# Altium PCB I2C_Jog_Controller.pcbdoc (part 3 of 9)
Units mil, origin at the board's own origin, x right, y up, seen from the top; angles counter-clockwise.
Board outline 3937.01 x 3937.01 mil, 2 copper layers (Top Layer, Bottom Layer), stack 65.398 mil thick; 211 components, 144 nets, 5702 pads, 342 vias.
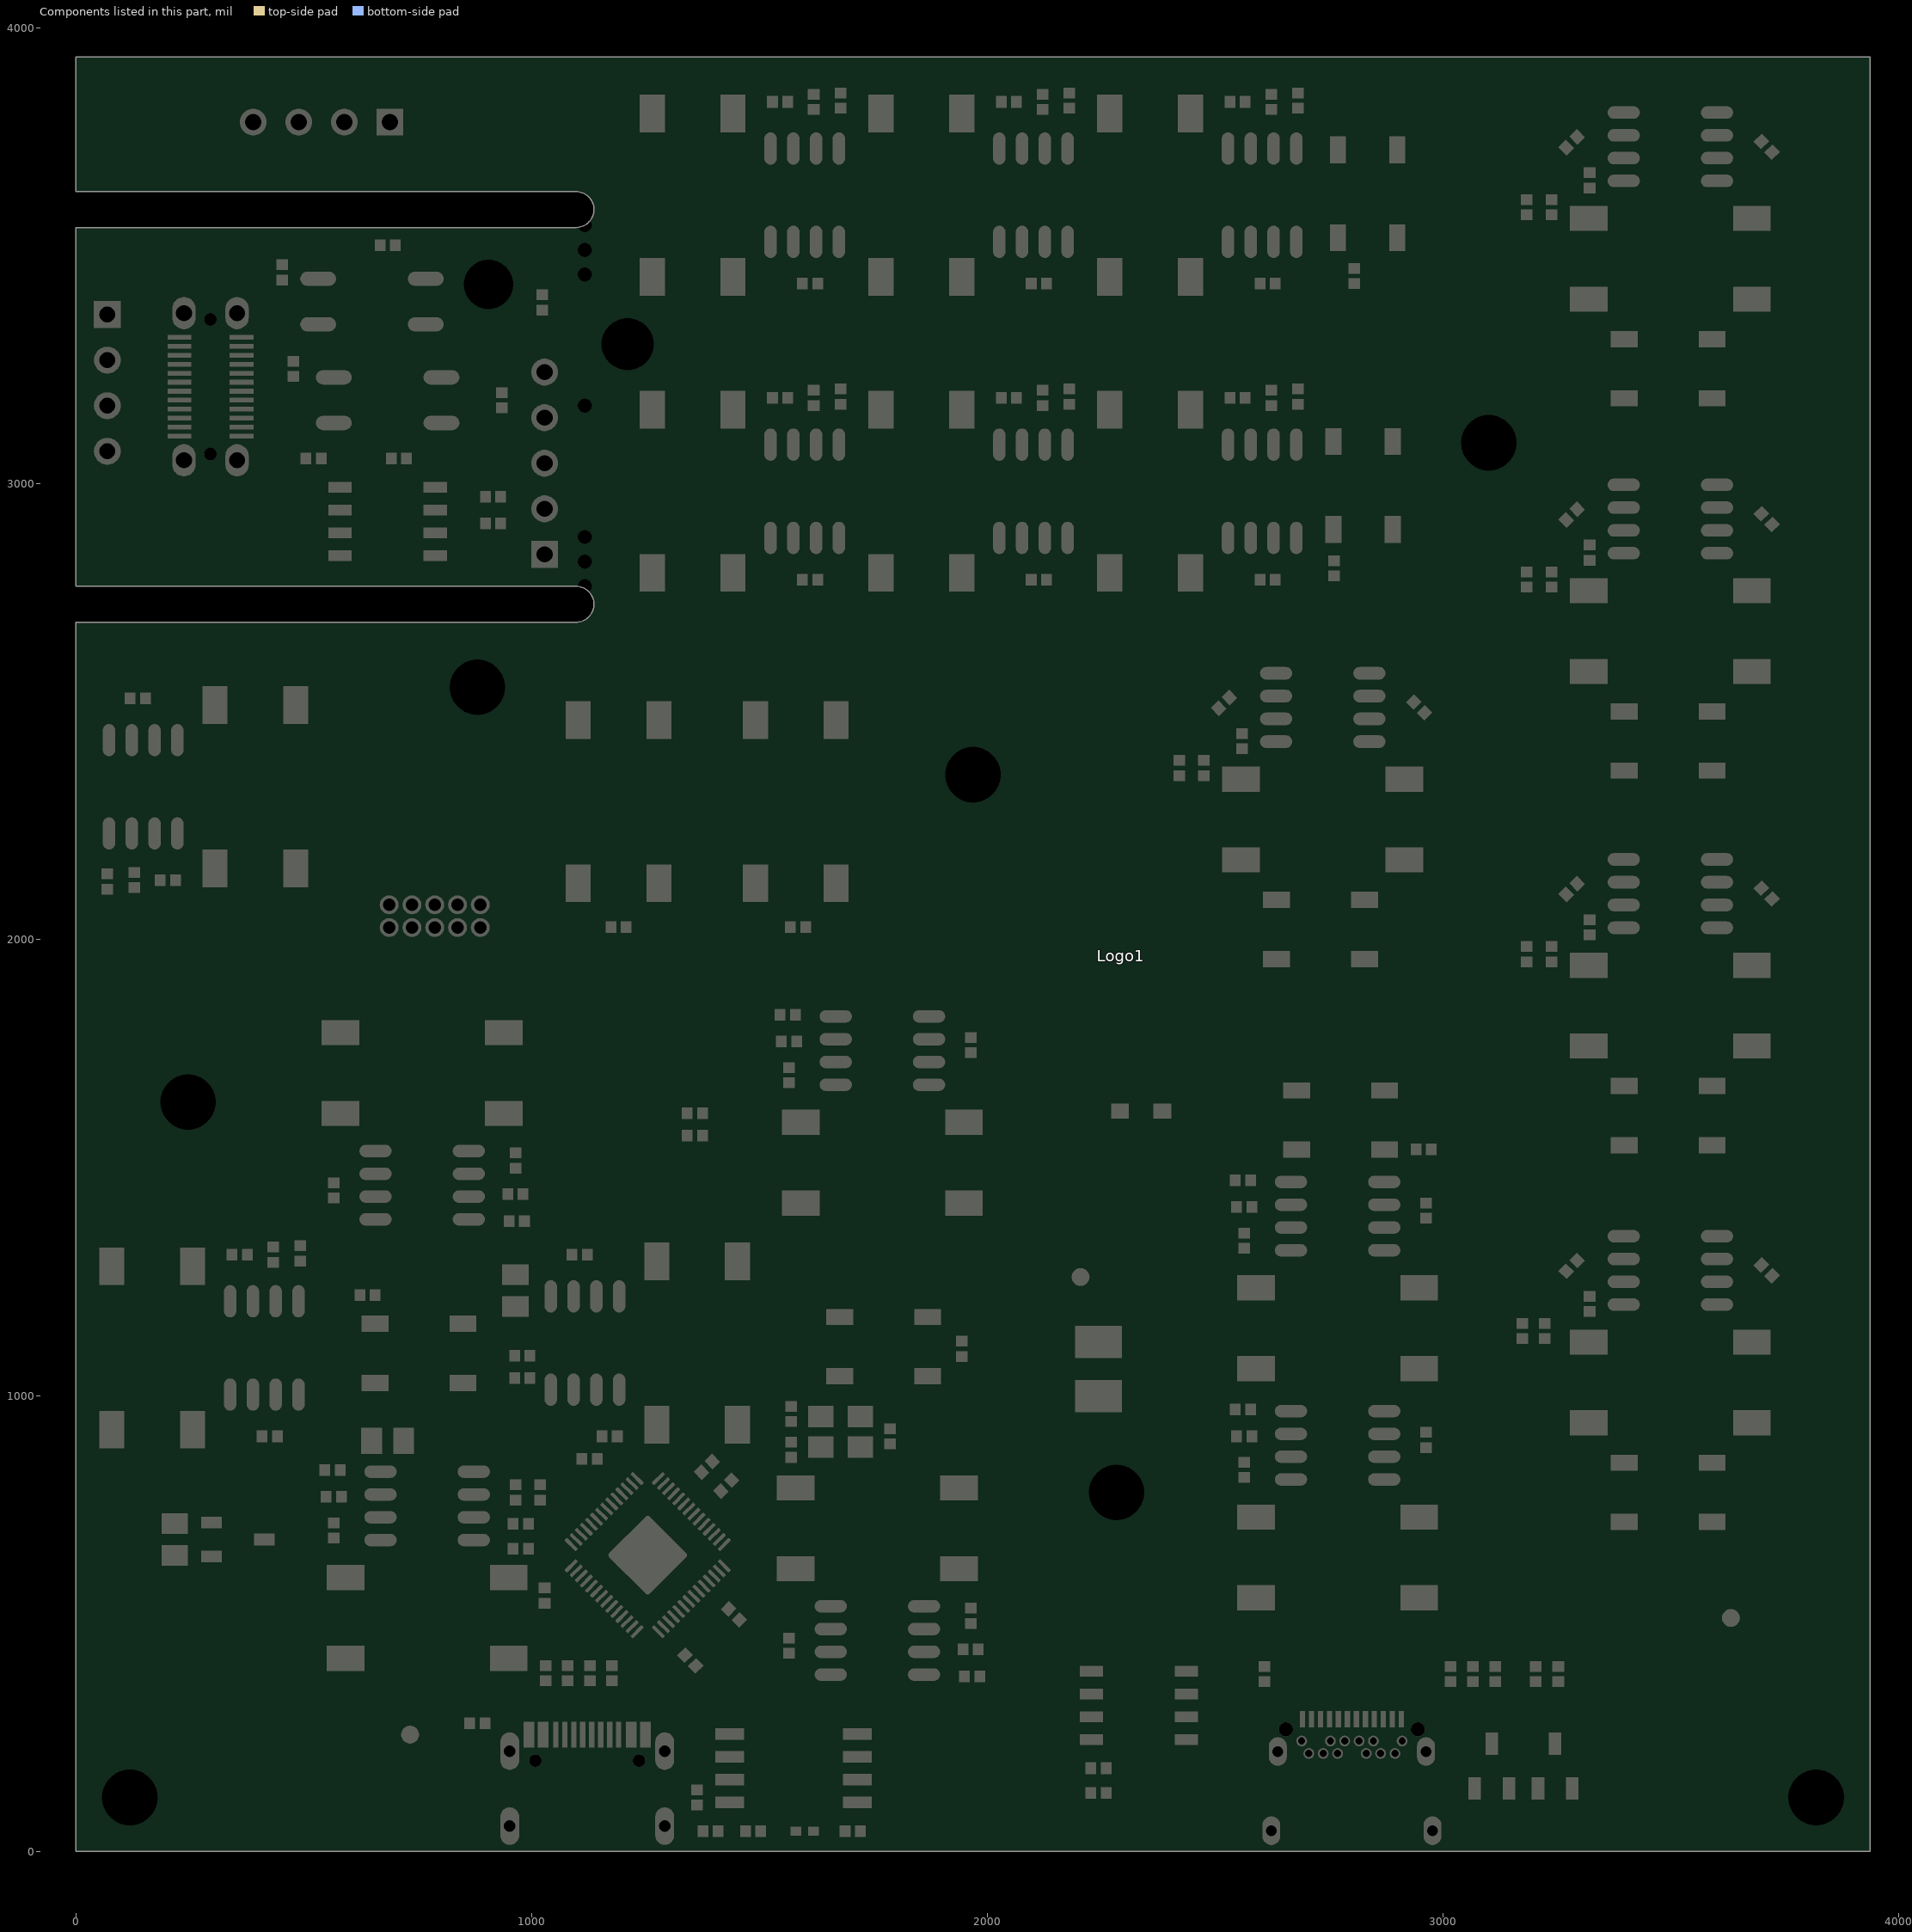
[diagram p3: the components of this part, seen from the top]

## Footprints (in the part's own frame and the unit in brackets; to place one, negate y for a bottom-side part, rotate by r counter-clockwise, add the part's x,y. Pads: shape width x height; smd on the part's side, far side on the other; paste and mask are expansions set on the pad) (continued)
Expatria-Logo [mil] "Expatria DXF logo" (continued)
  round 1.64 on Top Overlay: 1_1769(-44430.78,-43412.65) 1_1770(-44429.45,-43412.65) 1_1771(-44432.56,-43411.32) 1_1772(-44430.78,-43412.65) 1_1773(-44434.35,-43411.32) 1_1774(-44432.56,-43411.32) 1_1775(-44438.4,-43409.5) 1_1776(-44434.35,-43411.32) 1_1777(-44439.73,-43409.5) 1_1778(-44438.4,-43409.5) 1_1779(-44440.64,-43408.63) 1_1780(-44439.73,-43409.5) 1_1781(-44441.97,-43408.63) 1_1782(-44440.64,-43408.63) 1_1783(-44443.75,-43407.26) 1_1784(-44441.97,-43408.63) 1_1785(-44445.53,-43407.26) 1_1786(-44443.75,-43407.26) 1_1787(-44449.58,-43405.48) 1_1788(-44445.53,-43407.26) 1_1789(-44450.91,-43405.48) 1_1790(-44449.58,-43405.48) 1_1791(-44451.82,-43404.61) 1_1792(-44450.91,-43405.48) 1_1793(-44453.15,-43404.61) 1_1794(-44451.82,-43404.61) 1_1795(-44454.93,-43403.25) 1_1796(-44453.15,-43404.61) 1_1797(-44456.71,-43403.25) 1_1798(-44454.93,-43403.25) 1_1799(-44471.49,-43398.32) 1_1800(-44456.71,-43403.25) 1_1801(-44473.28,-43398.32) 1_1802(-44471.49,-43398.32) 1_1803(-44481.31,-43395.21) 1_1804(-44473.28,-43398.32) 1_1805(-44506.82,-43388.95) 1_1806(-44481.31,-43395.21) 1_1807(-44509.51,-43388.95) 1_1808(-44506.82,-43388.95) 1_1809(-44517.55,-43386.72) 1_1810(-44509.51,-43388.95) 1_1811(-44520.24,-43386.72) 1_1812(-44517.55,-43386.72) 1_1813(-44525.62,-43384.9) 1_1814(-44520.24,-43386.72) 1_1815(-44530.97,-43384.9) 1_1816(-44525.62,-43384.9) 1_1817(-44539.04,-43383.12) 1_1818(-44530.97,-43384.9) 1_1819(-44551.55,-43381.34) 1_1820(-44539.04,-43383.12) 1_1821(-44556.93,-43381.34) 1_1822(-44551.55,-43381.34) 1_1823(-44572.14,-43379.55) 1_1824(-44556.93,-43381.34) 1_1825(-44577.06,-43379.55) 1_1826(-44572.14,-43379.55) 1_1827(-44577.06,-43379.55) 1_1828(-44589.12,-43426.07) 1_1829(-44575.25,-43426.97) 1_1830(-44575.25,-43426.97) 1_1831(-44566.3,-43428.3) 1_1832(-44566.3,-43428.3) 1_1833(-44557.81,-43428.76) 1_1834(-44557.81,-43428.76) 1_1835(-44554.24,-43429.63) 1_1836(-44554.24,-43429.63) 1_1837(-44548.41,-43430.08) 1_1838(-44548.41,-43430.08) 1_1839(-44543.52,-43431.45) 1_1840(-44543.52,-43431.45) 1_1841(-44536.35,-43432.32) 1_1842(-44536.35,-43432.32) 1_1843(-44526.04,-43435.01) 1_1844(-44526.04,-43435.01) 1_1845(-44522.93,-43435.47) 1_1846(-44522.93,-43435.47) 1_1847(-44521.57,-43436.34) 1_1848(-44521.57,-43436.34) 1_1849(-44513.99,-43437.7) 1_1850(-44513.99,-43437.7) 1_1851(-44512.62,-43438.58) 1_1852(-44512.62,-43438.58) 1_1853(-44508.15,-43439.48) 1_1854(-44508.15,-43439.48) 1_1855(-44505.92,-43440.81) 1_1856(-44505.92,-43440.81) 1_1857(-44501.02,-43441.72) 1_1858(-44501.02,-43441.72) 1_1859(-44491.62,-43445.28) 1_1860(-44491.62,-43445.28) 1_1861(-44484,-43447.52) 1_1862(-44484,-43447.52) 1_1863(-44481.77,-43448.89) 1_1864(-44481.77,-43448.89) 1_1865(-44475.51,-43450.67) 1_1866(-44475.51,-43450.67) 1_1867(-44472.37,-43452.45) 1_1868(-44472.37,-43452.45) 1_1869(-44462.09,-43455.59) 1_1870(-44462.09,-43455.59) 1_1871(-44458.95,-43457.38) 1_1872(-44458.95,-43457.38) 1_1873(-44456.71,-43457.83) 1_1874(-44456.71,-43457.83) 1_1875(-44454.48,-43459.16) 1_1876(-44454.48,-43459.16) 1_1877(-44446.89,-43461.39) 1_1878(-44446.89,-43461.39) 1_1879(-44444.66,-43462.76) 1_1880(-44444.66,-43462.76) 1_1881(-44442.42,-43463.18) 1_1882(-44442.42,-43463.18) 1_1883(-44441.51,-43464.09) 1_1884(-44441.51,-43464.09) 1_1885(-44439.27,-43464.54) 1_1886(-44439.27,-43464.54) 1_1887(-44433.47,-43467.65) 1_1888(-44433.47,-43467.65) 1_1889(-44429.87,-43468.56) 1_1890(-44429.87,-43468.56) 1_1891(-44426.31,-43470.8) 1_1892(-44426.31,-43470.8) 1_1893(-44424.07,-43471.25) 1_1894(-44424.07,-43471.25) 1_1895(-44419.6,-43473.94) 1_1896(-44419.6,-43473.94) 1_1897(-44417.36,-43474.36) 1_1898(-44417.36,-43474.36) 1_1899(-44415.13,-43475.72) 1_1900(-44415.13,-43475.72) 1_1901(-44412.89,-43476.18) 1_1902(-44412.89,-43476.18) 1_1903(-44409.33,-43478.41) 1_1904(-44409.33,-43478.41) 1_1905(-44407.09,-43478.83) 1_1906(-44407.09,-43478.83) 1_1907(-44396.78,-43484.21) 1_1908(-44396.78,-43484.21) 1_1909(-44390.07,-43487.78) 1_1910(-44390.07,-43487.78) 1_1911(-44387.84,-43488.23) 1_1912(-44387.84,-43488.23) 1_1913(-44374.42,-43495.4) 1_1914(-44374.42,-43495.4) 1_1915(-44356.07,-43504.34) 1_1916(-44356.07,-43504.34) 1_1917(-44354.74,-43505.67) 1_1918(-44354.74,-43505.67) 1_1919(-44353.41,-43506.13) 1_1920(-44353.41,-43506.13) 1_1921(-44350.27,-43508.36) 1_1922(-44350.27,-43508.36) 1_1923(-44347.12,-43510.14) 1_1924(-44347.12,-43510.14) 1_1925(-44337.76,-43515.07) 1_1926(-44337.76,-43515.07) 1_1927(-44334.61,-43516.85) 1_1928(-44334.61,-43516.85) 1_1929(-44331.47,-43518.67) 1_1930(-44331.47,-43518.67) 1_1931(-44328.36,-43520.45) 1_1932(-44328.36,-43520.45) 1_1933(-44325.21,-43522.23) 1_1934(-44325.21,-43522.23) 1_1935(-44322.1,-43524.02) 1_1936(-44322.1,-43524.02) 1_1937(-44318.96,-43525.8) 1_1938(-44318.96,-43525.8) 1_1939(-44316.72,-43526.71) 1_1940(-44316.72,-43526.71) 1_1941(-44313.58,-43528.94) 1_1942(-44313.58,-43528.94) 1_1943(-44312.25,-43529.4) 1_1944(-44312.25,-43529.4) 1_1945(-44308.68,-43532.09) 1_1946(-44308.68,-43532.09) 1_1947(-44305.54,-43533.87) 1_1948(-44305.54,-43533.87) 1_1949(-44303.3,-43534.74) 1_1950(-44303.3,-43534.74) 1_1951(-44300.16,-43536.98) 1_1952(-44300.16,-43536.98) 1_1953(-44297.05,-43538.34) 1_1954(-44297.05,-43538.34) 1_1955(-44295.68,-43539.67) 1_1956(-44295.68,-43539.67) 1_1957(-44294.36,-43540.13) 1_1958(-44294.36,-43540.13) 1_1959(-44293.03,-43541.45) 1_1960(-44293.03,-43541.45) 1_1961(-44291.67,-43541.91) 1_1962(-44291.67,-43541.91) 1_1963(-44290.34,-43543.27) 1_1964(-44290.34,-43543.27) 1_1965(-44288.97,-43543.69) 1_1966(-44288.97,-43543.69) 1_1967(-44287.65,-43545.05) 1_1968(-44287.65,-43545.05) 1_1969(-44286.32,-43545.51) 1_1970(-44286.32,-43545.51) 1_1971(-44282.72,-43548.16) 1_1972(-44282.72,-43548.16) 1_1973(-44281.39,-43548.62) 1_1974(-44281.39,-43548.62) 1_1975(-44278.25,-43550.85) 1_1976(-44278.25,-43550.85) 1_1977(-44276.92,-43551.31) 1_1978(-44276.92,-43551.31) 1_1979(-44273.77,-43553.55) 1_1980(-44273.77,-43553.55) 1_1981(-44272.45,-43554) 1_1982(-44272.45,-43554) 1_1983(-44271.08,-43555.33) 1_1984(-44271.08,-43555.33) 1_1985(-44269.76,-43555.78) 1_1986(-44269.76,-43555.78) 1_1987(-44268.43,-43557.11) 1_1988(-44268.43,-43557.11) 1_1989(-44267.07,-43557.56) 1_1990(-44267.07,-43557.56) 1_1991(-44265.74,-43558.93) 1_1992(-44265.74,-43558.93) 1_1993(-44264.37,-43559.35) 1_1994(-44264.37,-43559.35) 1_1995(-44263.05,-43560.71) 1_1996(-44263.05,-43560.71) 1_1997(-44261.72,-43561.16) 1_1998(-44261.72,-43561.16) 1_1999(-44260.36,-43562.49) 1_2000(-44260.36,-43562.49) 1_2001(-44256.79,-43564.73) 1_2002(-44256.79,-43564.73) 1_2003(-44255.43,-43565.18) 1_2004(-44255.43,-43565.18) 1_2005(-44255.01,-43566.51) 1_2006(-44259.9,-43567.87) 1_2007(-44255.01,-43566.51) 1_2008(-44263.05,-43568.29) 1_2009(-44259.9,-43567.87) 1_2010(-44267.97,-43570.11) 1_2011(-44263.05,-43568.29) 1_2012(-44272.9,-43570.98) 1_2013(-44267.97,-43570.11) 1_2014(-44279.61,-43573.22) 1_2015(-44272.9,-43570.98) 1_2016(-44286.32,-43574.58) 1_2017(-44279.61,-43573.22) 1_2018(-44289.43,-43575.91) 1_2019(-44286.32,-43574.58) 1_2020(-44294.36,-43576.82) 1_2021(-44289.43,-43575.91) 1_2022(-44299.29,-43578.6) 1_2023(-44294.36,-43576.82) 1_2024(-44305.54,-43579.47) 1_2025(-44299.29,-43578.6) 1_2026(-44308.68,-43580.84) 1_2027(-44305.54,-43579.47) 1_2028(-44312.7,-43581.29) 1_2029(-44308.68,-43580.84) 1_2030(-44315.81,-43582.62) 1_2031(-44312.7,-43581.29) 1_2032(-44325.21,-43584.86) 1_2033(-44315.81,-43582.62) 1_2034(-44331.92,-43586.18) 1_2035(-44325.21,-43584.86) 1_2036(-44338.63,-43588.42) 1_2037(-44331.92,-43586.18) 1_2038(-44351.6,-43590.66) 1_2039(-44338.63,-43588.42) 1_2040(-44354.74,-43592.02) 1_2041(-44351.6,-43590.66) 1_2042(-44364.6,-43594.26) 1_2043(-44354.74,-43592.02) 1_2044(-44377.11,-43596.49) 1_2045(-44364.6,-43594.26) 1_2046(-44380.25,-43597.82) 1_2047(-44377.11,-43596.49) 1_2048(-44387.38,-43599.6) 1_2049(-44380.25,-43597.82) 1_2050(-44395.91,-43600.51) 1_2051(-44387.38,-43599.6) 1_2052(-44401.71,-43602.29) 1_2053(-44395.91,-43600.51) 1_2054(-44407.96,-43603.2) 1_2055(-44401.71,-43602.29) 1_2056(-44414.22,-43604.98) 1_2057(-44407.96,-43603.2) 1_2058(-44420.06,-43605.44) 1_2059(-44414.22,-43604.98) 1_2060(-44426.31,-43607.22) 1_2061(-44420.06,-43605.44) 1_2062(-44432.11,-43607.68) 1_2063(-44426.31,-43607.22) 1_2064(-44433.93,-43608.55) 1_2065(-44432.11,-43607.68) 1_2066(-44443.75,-43610.37) 1_2067(-44433.93,-43608.55) 1_2068(-44449.58,-43610.79) 1_2069(-44443.75,-43610.37) 1_2070(-44454.93,-43612.15) 1_2071(-44449.58,-43610.79) 1_2072(-44460.77,-43612.6) 1_2073(-44454.93,-43612.15) 1_2074(-44464.79,-43613.93) 1_2075(-44460.77,-43612.6) 1_2076(-44471.95,-43614.39) 1_2077(-44464.79,-43613.93) 1_2078(-44483.13,-43616.62) 1_2079(-44471.95,-43614.39) 1_2080(-44488.02,-43617.08) 1_2081(-44483.13,-43616.62) 1_2082(-44490.26,-43617.95) 1_2083(-44488.02,-43617.08) 1_2084(-44525.62,-43622.88) 1_2085(-44490.26,-43617.95) 1_2086(-44534.99,-43623.33) 1_2087(-44525.62,-43622.88) 1_2088(-44539.46,-43624.21) 1_2089(-44534.99,-43623.33) 1_2090(-44564.06,-43626.02) 1_2091(-44539.46,-43624.21) 1_2092(-44599.43,-43625.57) 1_2093(-44564.06,-43626.02) 1_2094(-44608.38,-43625.57) 1_2095(-44599.43,-43625.57) 1_2096(-44617.32,-43624.21) 1_2097(-44608.38,-43625.57) 1_2098(-44621.79,-43624.21) 1_2099(-44617.32,-43624.21) 1_2100(-44625.81,-43623.33) 1_2101(-44621.79,-43624.21) 1_2102(-44630.29,-43623.33) 1_2103(-44625.81,-43623.33) 1_2104(-44634.31,-43622.42) 1_2105(-44630.29,-43623.33) 1_2106(-44636.54,-43622.42) 1_2107(-44634.31,-43622.42) 1_2108(-44638.32,-43621.55) 1_2109(-44636.54,-43622.42) 1_2110(-44640.56,-43621.55) 1_2111(-44638.32,-43621.55) 1_2112(-44642.34,-43620.64) 1_2113(-44640.56,-43621.55) 1_2114(-44644.58,-43620.64) 1_2115(-44642.34,-43620.64) 1_2116(-44646.4,-43619.73) 1_2117(-44644.58,-43620.64) 1_2118(-44649.05,-43619.73) 1_2119(-44646.4,-43619.73) 1_2120(-44650.87,-43618.86) 1_2121(-44649.05,-43619.73) 1_2122(-44653.1,-43618.86) 1_2123(-44650.87,-43618.86) 1_2124(-44654.43,-43617.95) 1_2125(-44653.1,-43618.86) 1_2126(-44656.67,-43617.95) 1_2127(-44654.43,-43617.95) 1_2128(-44660.69,-43616.62) 1_2129(-44656.67,-43617.95) 1_2130(-44663.83,-43615.71) 1_2131(-44660.69,-43616.62) 1_2132(-44665.16,-43615.71) 1_2133(-44663.83,-43615.71) 1_2134(-44666.07,-43614.84) 1_2135(-44665.16,-43615.71) 1_2136(-44667.85,-43614.84) 1_2137(-44666.07,-43614.84) 1_2138(-44670.54,-43613.48) 1_2139(-44667.85,-43614.84) 1_2140(-44671.87,-43613.48) 1_2141(-44670.54,-43613.48) 1_2142(-44675.47,-43611.69) 1_2143(-44671.87,-43613.48) 1_2144(-44676.8,-43611.69) 1_2145(-44675.47,-43611.69) 1_2146(-44679.03,-43610.37) 1_2147(-44676.8,-43611.69) 1_2148(-44680.36,-43610.37) 1_2149(-44679.03,-43610.37) 1_2150(-44681.27,-43609.46) 1_2151(-44680.36,-43610.37) 1_2152(-44682.6,-43609.46) 1_2153(-44681.27,-43609.46) 1_2154(-44684.42,-43608.13) 1_2155(-44682.6,-43609.46) 1_2156(-44685.74,-43608.13) 1_2157(-44684.42,-43608.13) 1_2158(-44700.94,-43600.06) 1_2159(-44685.74,-43608.13) 1_2160(-44701.85,-43600.06) 1_2161(-44700.94,-43600.06) 1_2162(-44703.18,-43598.73) 1_2163(-44701.85,-43600.06) 1_2164(-44704.09,-43598.73) 1_2165(-44703.18,-43598.73) 1_2166(-44704.55,-43597.82) 1_2167(-44704.09,-43598.73) 1_2168(-44705.42,-43597.82) 1_2169(-44704.55,-43597.82) 1_2170(-44705.87,-43596.95) 1_2171(-44705.42,-43597.82) 1_2172(-44706.78,-43596.95) 1_2173(-44705.87,-43596.95) 1_2174(-44707.2,-43596.04) 1_2175(-44706.78,-43596.95) 1_2176(-44708.11,-43596.04) 1_2177(-44707.2,-43596.04) 1_2178(-44708.56,-43595.13) 1_2179(-44708.11,-43596.04) 1_2180(-44709.44,-43595.13) 1_2181(-44708.56,-43595.13) 1_2182(-44709.89,-43594.26) 1_2183(-44709.44,-43595.13) 1_2184(-44710.8,-43594.26) 1_2185(-44709.89,-43594.26) 1_2186(-44711.67,-43592.89) 1_2187(-44710.8,-43594.26) 1_2188(-44712.58,-43592.89) 1_2189(-44711.67,-43592.89) 1_2190(-44713.04,-43592.02) 1_2191(-44712.58,-43592.89) 1_2192(-44713.91,-43592.02) 1_2193(-44713.04,-43592.02) 1_2194(-44714.82,-43590.66) 1_2195(-44713.91,-43592.02) 1_2196(-44715.73,-43590.66) 1_2197(-44714.82,-43590.66) 1_2198(-44716.15,-43589.78) 1_2199(-44715.73,-43590.66) 1_2200(-44717.05,-43589.78) 1_2201(-44716.15,-43589.78) 1_2202(-44717.96,-43588.42) 1_2203(-44717.05,-43589.78) 1_2204(-44718.84,-43588.42) 1_2205(-44717.96,-43588.42) 1_2206(-44719.29,-43587.55) 1_2207(-44718.84,-43588.42) 1_2208(-44720.2,-43587.55) 1_2209(-44719.29,-43587.55) 1_2210(-44721.07,-43586.18) 1_2211(-44720.2,-43587.55) 1_2212(-44721.98,-43586.18) 1_2213(-44721.07,-43586.18) 1_2214(-44723.76,-43583.95) 1_2215(-44721.98,-43586.18) 1_2216(-44724.67,-43583.95) 1_2217(-44723.76,-43583.95) 1_2218(-44726.91,-43581.29) 1_2219(-44724.67,-43583.95) 1_2220(-44727.78,-43581.29) 1_2221(-44726.91,-43581.29) 1_2222(-44729.57,-43579.06) 1_2223(-44727.78,-43581.29) 1_2224(-44730.47,-43579.06) 1_2225(-44729.57,-43579.06) 1_2226(-44742.11,-43566.97) 1_2227(-44730.47,-43579.06) 1_2228(-44742.56,-43566.97) 1_2229(-44742.11,-43566.97) 1_2230(-44742.98,-43565.64) 1_2231(-44742.56,-43566.97) 1_2232(-44747.46,-43561.16) 1_2233(-44742.98,-43565.64) 1_2234(-44747.91,-43561.16) 1_2235(-44747.46,-43561.16) 1_2236(-44748.36,-43559.8) 1_2237(-44747.91,-43561.16) 1_2238(-44750.15,-43558.02) 1_2239(-44748.36,-43559.8) 1_2240(-44750.6,-43558.02) 1_2241(-44750.15,-43558.02) 1_2242(-44751.06,-43556.69) 1_2243(-44750.6,-43558.02) 1_2244(-44752.38,-43555.33) 1_2245(-44751.06,-43556.69) 1_2246(-44752.84,-43555.33) 1_2247(-44752.38,-43555.33) 1_2248(-44753.75,-43553.55) 1_2249(-44752.84,-43555.33) 1_2250(-44754.17,-43553.55) 1_2251(-44753.75,-43553.55) 1_2252(-44754.62,-43552.22) 1_2253(-44754.17,-43553.55) 1_2254(-44755.07,-43552.22) 1_2255(-44754.62,-43552.22) 1_2256(-44755.98,-43550.4) 1_2257(-44755.07,-43552.22) 1_2258(-44756.4,-43550.4) 1_2259(-44755.98,-43550.4) 1_2260(-44756.86,-43549.07) 1_2261(-44756.4,-43550.4) 1_2262(-44757.31,-43549.07) 1_2263(-44756.86,-43549.07) 1_2264(-44758.22,-43547.29) 1_2265(-44757.31,-43549.07) 1_2266(-44758.64,-43547.29) 1_2267(-44758.22,-43547.29) 1_2268(-44759.09,-43545.93) 1_2269(-44758.64,-43547.29) 1_2270(-44759.55,-43545.93) 1_2271(-44759.09,-43545.93) 1_2272(-44760.46,-43544.15) 1_2273(-44759.55,-43545.93) 1_2274(-44760.88,-43544.15) 1_2275(-44760.46,-43544.15) 1_2276(-44761.33,-43542.82) 1_2277(-44760.88,-43544.15) 1_2278(-44761.78,-43542.82) 1_2279(-44761.33,-43542.82) 1_2280(-44762.69,-43541.04) 1_2281(-44761.78,-43542.82) 1_2282(-44763.11,-43541.04) 1_2283(-44762.69,-43541.04) 1_2284(-44764.93,-43537.89) 1_2285(-44763.11,-43541.04) 1_2286(-44765.35,-43537.89) 1_2287(-44764.93,-43537.89) 1_2288(-44765.8,-43536.56) 1_2289(-44765.35,-43537.89) 1_2290(-44766.26,-43536.56) 1_2291(-44765.8,-43536.56) 1_2292(-44766.71,-43535.2) 1_2293(-44766.26,-43536.56) 1_2294(-44767.17,-43535.2) 1_2295(-44766.71,-43535.2) 1_2296(-44767.59,-43533.87) 1_2297(-44767.17,-43535.2) 1_2298(-44768.04,-43533.87) 1_2299(-44767.59,-43533.87) 1_2300(-44768.49,-43532.51) 1_2301(-44768.04,-43533.87) 1_2302(-44768.95,-43532.51) 1_2303(-44768.49,-43532.51) 1_2304(-44769.4,-43531.18) 1_2305(-44768.95,-43532.51) 1_2306(-44769.82,-43531.18) 1_2307(-44769.4,-43531.18) 1_2308(-44770.73,-43528.94) 1_2309(-44769.82,-43531.18) 1_2310(-44771.18,-43528.94) 1_2311(-44770.73,-43528.94) 1_2312(-44772.06,-43526.71) 1_2313(-44771.18,-43528.94) 1_2314(-44772.51,-43526.71) 1_2315(-44772.06,-43526.71) 1_2316(-44773.42,-43524.47) 1_2317(-44772.51,-43526.71) 1_2318(-44773.88,-43524.47) 1_2319(-44773.42,-43524.47) 1_2320(-44774.75,-43522.23) 1_2321(-44773.88,-43524.47) 1_2322(-44775.2,-43522.23) 1_2323(-44774.75,-43522.23) 1_2324(-44776.53,-43519.09) 1_2325(-44775.2,-43522.23) 1_2326(-44776.99,-43519.09) 1_2327(-44776.53,-43519.09) 1_2328(-44777.89,-43516.85) 1_2329(-44776.99,-43519.09) 1_2330(-44778.35,-43516.85) 1_2331(-44777.89,-43516.85) 1_2332(-44778.35,-43516.85) 1_2333(-44776.11,-43514.62) 1_2334(-44776.11,-43514.62) 1_2335(-44775.66,-43513.29) 1_2336(-44775.66,-43513.29) 1_2337(-44773.88,-43511.96) 1_2338(-44773.88,-43511.96) 1_2339(-44773.42,-43510.6) 1_2340(-44773.42,-43510.6) 1_2341(-44771.64,-43509.27) 1_2342(-44771.64,-43509.27) 1_2343(-44771.18,-43507.91) 1_2344(-44771.18,-43507.91) 1_2345(-44768.95,-43506.13) 1_2346(-44768.95,-43506.13) 1_2347(-44768.49,-43504.8) 1_2348(-44768.49,-43504.8) 1_2349(-44756.4,-43493.16) 1_2350(-44756.4,-43493.16) 1_2351(-44755.98,-43491.83) 1_2352(-44755.98,-43491.83) 1_2353(-44753.75,-43489.6) 1_2354(-44753.75,-43489.6) 1_2355(-44752.38,-43489.14) 1_2356(-44752.38,-43489.14) 1_2357(-44751.06,-43487.36) 1_2358(-44751.06,-43487.36) 1_2359(-44749.69,-43486.91) 1_2360(-44749.69,-43486.91) 1_2361(-44745.22,-43481.98) 1_2362(-44745.22,-43481.98) 1_2363(-44743.89,-43481.52) 1_2364(-44743.89,-43481.52) 1_2365(-44742.56,-43479.74) 1_2366(-44742.56,-43479.74) 1_2367(-44741.2,-43479.29) 1_2368(-44741.2,-43479.29) 1_2369(-44739.42,-43477.05) 1_2370(-44739.42,-43477.05) 1_2371(-44738.09,-43476.59) 1_2372(-44738.09,-43476.59) 1_2373(-44735.4,-43473.94) 1_2374(-44735.4,-43473.94) 1_2375(-44734.04,-43473.49) 1_2376(-44734.04,-43473.49) 1_2377(-44733.62,-43472.58) 1_2378(-44733.62,-43472.58) 1_2379(-44732.25,-43472.12) 1_2380(-44732.25,-43472.12) 1_2381(-44729.57,-43469.47) 1_2382(-44729.57,-43469.47) 1_2383(-44728.24,-43469.01) 1_2384(-44728.24,-43469.01) 1_2385(-44726.45,-43467.23) 1_2386(-44726.45,-43467.23) 1_2387(-44725.09,-43466.78) 1_2388(-44725.09,-43466.78) 1_2389(-44723.31,-43464.99) 1_2390(-44723.31,-43464.99) 1_2391(-44721.98,-43464.54) 1_2392(-44721.98,-43464.54) 1_2393(-44720.2,-43462.76) 1_2394(-44720.2,-43462.76) 1_2395(-44718.84,-43462.3) 1_2396(-44718.84,-43462.3) 1_2397(-44718.38,-43461.39) 1_2398(-44718.38,-43461.39) 1_2399(-44715.27,-43460.07) 1_2400(-44715.27,-43460.07) 1_2401(-44713.91,-43458.7) 1_2402(-44713.91,-43458.7) 1_2403(-44712.58,-43458.28) 1_2404(-44712.58,-43458.28) 1_2405(-44712.13,-43457.38) 1_2406(-44712.13,-43457.38) 1_2407(-44709.02,-43455.59) 1_2408(-44709.02,-43455.59) 1_2409(-44706.78,-43454.69) 1_2410(-44706.78,-43454.69) 1_2411(-44705.42,-43453.36) 1_2412(-44705.42,-43453.36) 1_2413(-44702.31,-43451.58) 1_2414(-44702.31,-43451.58) 1_2415(-44699.16,-43449.76) 1_2416(-44699.16,-43449.76) 1_2417(-44696.93,-43449.34) 1_2418(-44696.93,-43449.34) 1_2419(-44688.89,-43444.87) 1_2420(-44688.89,-43444.87) 1_2421(-44686.65,-43444.41) 1_2422(-44686.65,-43444.41) 1_2423(-44685.74,-43443.5) 1_2424(-44685.74,-43443.5) 1_2425(-44682.18,-43442.63) 1_2426(-44682.18,-43442.63) 1_2427(-44678.58,-43440.81) 1_2428(-44678.58,-43440.81) 1_2429(-44671,-43438.58) 1_2430(-44671,-43438.58) 1_2431(-44667.4,-43436.79) 1_2432(-44667.4,-43436.79) 1_2433(-44662.92,-43435.92) 1_2434(-44662.92,-43435.92) 1_2435(-44660.23,-43434.56) 1_2436(-44660.23,-43434.56) 1_2437(-44653.1,-43432.78) 1_2438(-44653.1,-43432.78) 1_2439(-44649.05,-43432.32) 1_2440(-44649.05,-43432.32) 1_2441(-44645.03,-43430.99) 1_2442(-44645.03,-43430.99) 1_2443(-44639.23,-43430.54) 1_2444(-44639.23,-43430.54) 1_2445(-44636.99,-43429.63) 1_2446(-44636.99,-43429.63) 1_2447(-44631.16,-43429.21) 1_2448(-44631.16,-43429.21) 1_2449(-44628.92,-43428.3) 1_2450(-44628.92,-43428.3) 1_2451(-44623.12,-43427.39) 1_2452(-44623.12,-43427.39) 1_2453(-44610.61,-43426.52) 1_2454(-44610.61,-43426.52) 1_2455(-44589.12,-43426.07)